# EAGLE board Mk4 Final Panel 8up 2x4 (EAGLE 9.0.1), part 14 of 23 (continued)
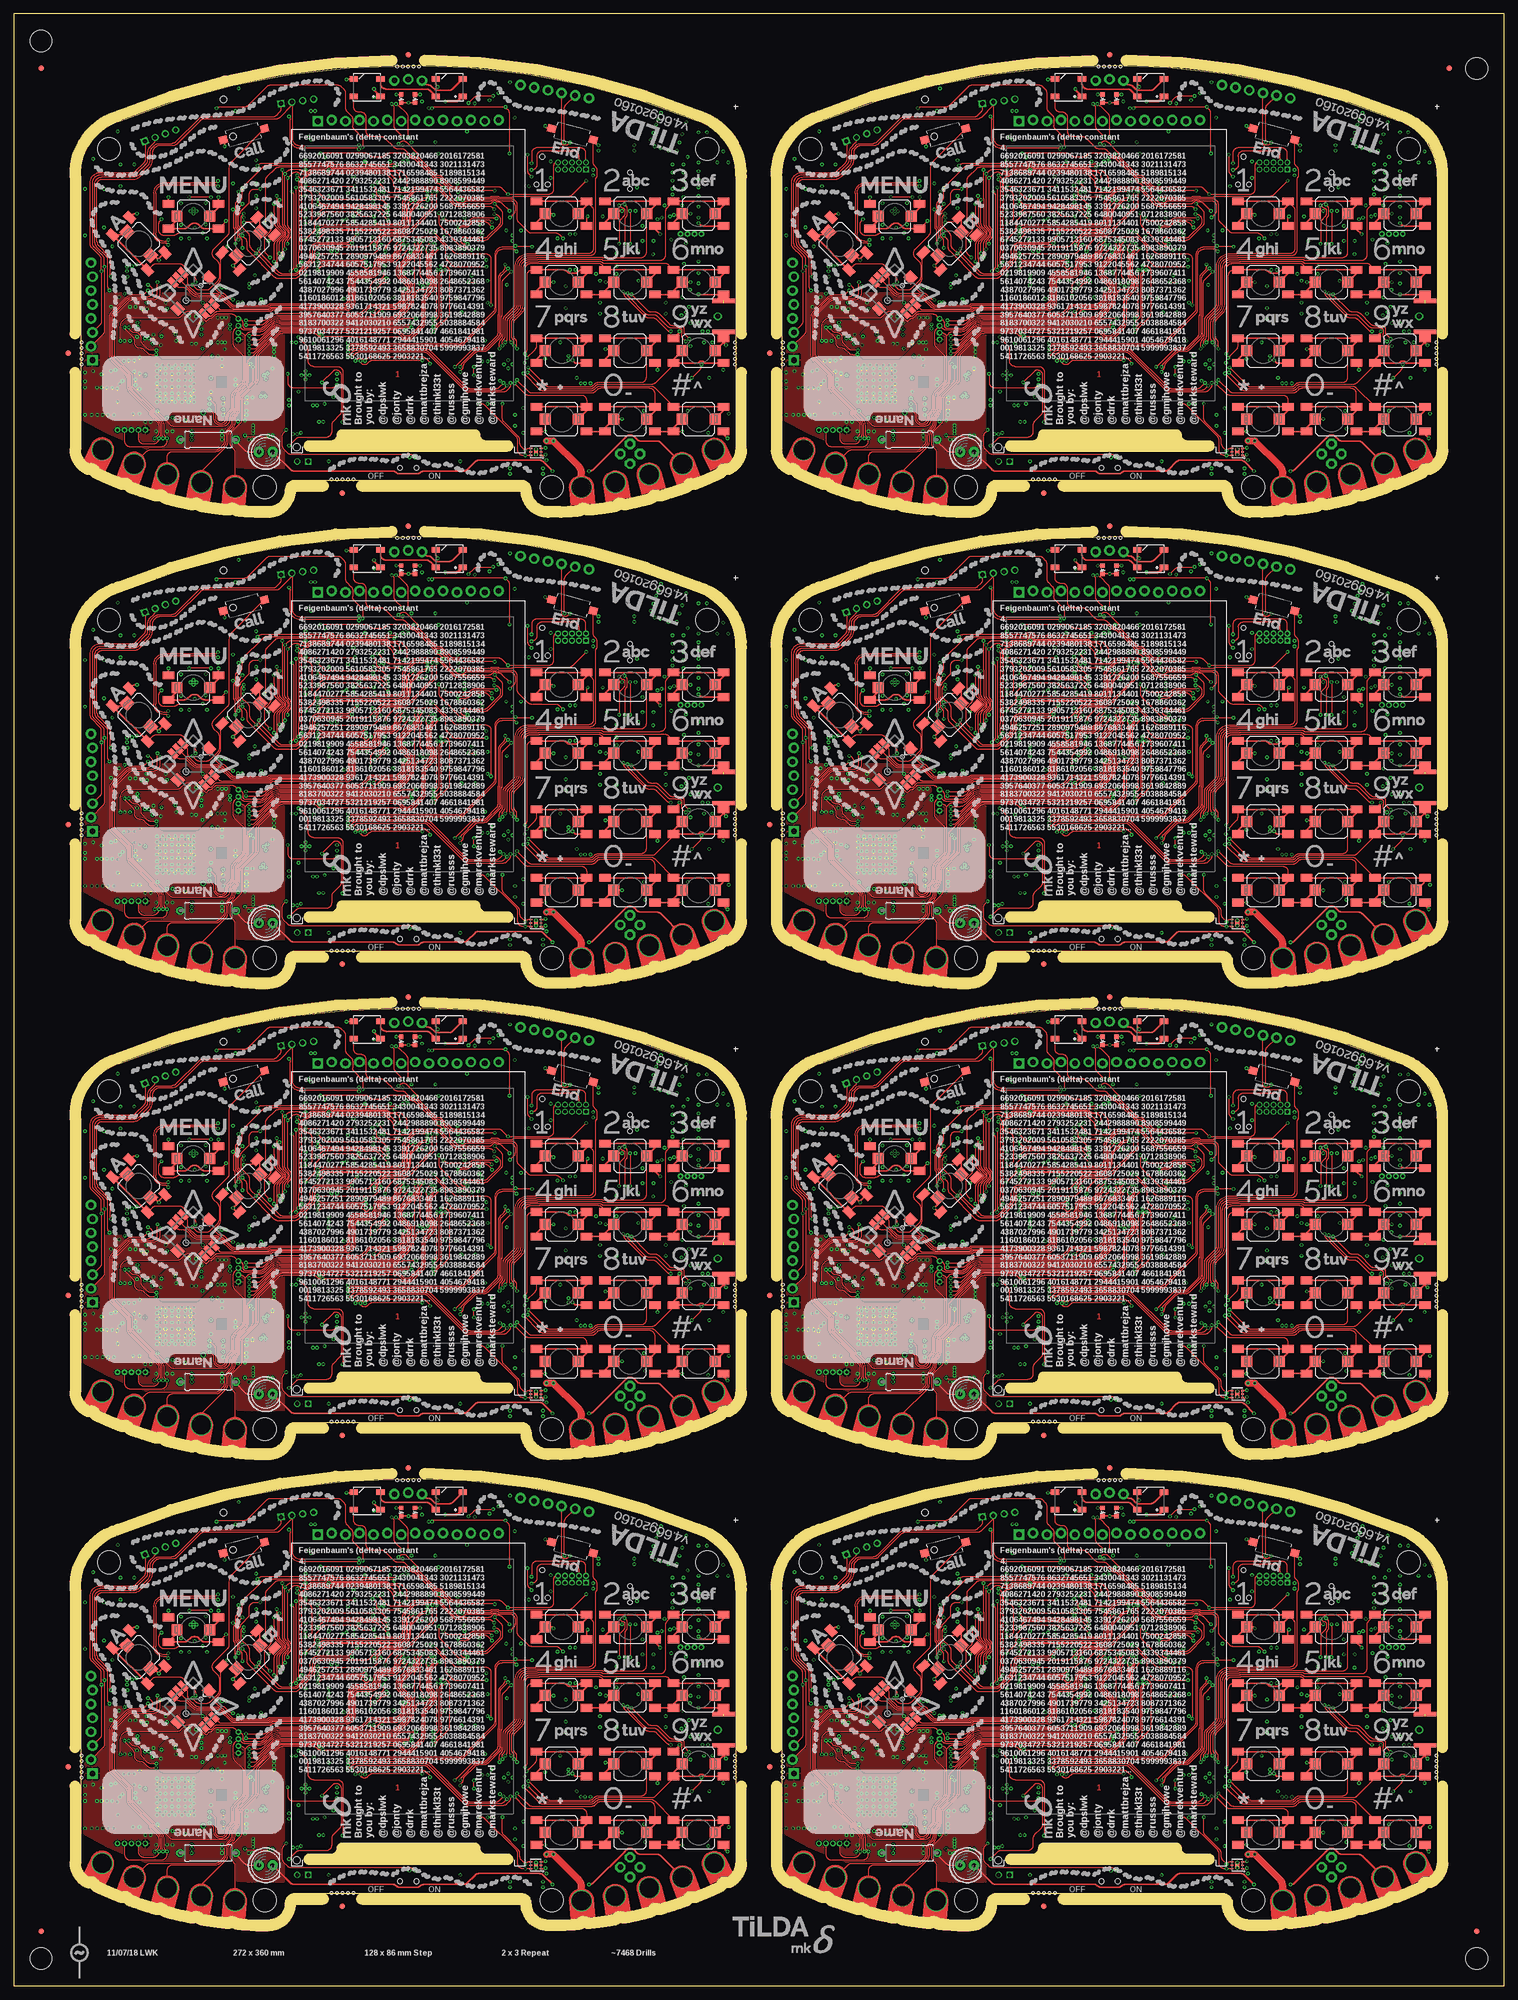
[diagram p0: board, top side]
## Tracks (layer width: path | path; a pad name or v marks a point on that pad's centre or on a via) (continued)
  Bottom 0.15: IC92.73 197,241.21 arc45 197.29,240.51 198.71,239.09 arc-45 199,238.39 199,234.11 arc45 199.29,233.41 199.51,233.19 arc-45 199.8,232.49 arc-45 199.74,232.34 v199.2,231.8
JOY_LEFT6  (via drill 0.3)
  Top 0.15: SW7.C 29.65,310.35 arc45 30.35,310.06 30.86,310.06 arc-45 31.56,309.76 32.53,308.8 arc45 33.59,308.36 36.67,308.36 arc-45 37.02,308.21 37.04,308.2 arc45 37.39,308.05 37.65,308.05 arc-45 38.01,307.9 39.3,306.61 arc45 40.36,306.18 46.44,306.18 arc45 46.83,306.34 46.87,306.38 arc-45 47.05,306.45 60.39,306.45 arc90 61.75,307.81 61.75,311.46 arc-90 62.69,312.4 64.9,312.4 arc90 66.4,313.9 66.4,314.3 arc-90 67.4,315.3 69.04,315.3 arc45 69.39,315.45 70.05,316.11 arc45 70.2,316.46 70.2,316.59 arc-45 70.35,316.95 v71.2,317.8
  Bottom 0.15: IC110.73 69,327.21 arc45 69.29,326.51 70.71,325.09 arc-45 71,324.39 71,320.11 arc45 71.29,319.41 71.51,319.19 arc-45 71.8,318.49 arc-45 71.74,318.34 v71.2,317.8
JOY_LEFT7  (via drill 0.3)
  Top 0.15: SW8.C 157.65,310.35 arc45 158.36,310.06 158.86,310.06 arc-45 159.56,309.76 160.53,308.8 arc45 161.59,308.36 164.67,308.36 arc-45 165.02,308.21 165.04,308.2 arc45 165.39,308.05 165.65,308.05 arc-45 166,307.9 167.3,306.61 arc45 168.36,306.18 174.44,306.18 arc45 174.83,306.34 174.87,306.38 arc-45 175.05,306.45 188.39,306.45 arc90 189.75,307.81 189.75,311.46 arc-90 190.69,312.4 192.9,312.4 arc90 194.4,313.9 194.4,314.3 arc-90 195.4,315.3 197.04,315.3 arc45 197.39,315.45 198.05,316.11 arc45 198.2,316.46 198.2,316.59 arc-45 198.35,316.95 v199.2,317.8
  Bottom 0.15: IC128.73 197,327.21 arc45 197.29,326.51 198.71,325.09 arc-45 199,324.39 199,320.11 arc45 199.29,319.41 199.51,319.19 arc-45 199.8,318.49 arc-45 199.74,318.34 v199.2,317.8
JOY_RIGHT  (via drill 0.3)
  Top 0.15: v71.2,59 71.08,59 arc45 70.73,58.85 70.65,58.77 arc45 70.5,58.42 70.5,58.33 arc-45 70.35,57.98 69.52,57.15 arc-45 69.17,57 67.45,57 arc90 66.7,56.25 66.7,55.85 arc-90 64.95,54.1 62.8,54.1 arc90 62.05,53.35 62.05,49.69 arc-90 60.51,48.15 47.17,48.15 arc45 46.99,48.08 46.86,47.95 arc-45 46.69,47.88 37.94,47.88 arc-45 37.58,48.02 SW1.B | v74,66.6 arc-45 74.24,66.7 v75.3,66.7
  Bottom 0.15: v74,66.6 72.6,66.6 arc90 71.6,65.6 71.6,62.41 arc45 71.89,61.71 72.31,61.29 arc-45 72.6,60.59 72.6,60 arc-90 71.6,59 v71.2,59 | IC1.91 76.2,71.79 76.28,71.72 76.28,71.47 arc-90 75.78,70.97 75.47,70.97 arc90 74.97,70.47 74.97,67.44 arc45 75.27,66.73 v75.3,66.7
JOY_RIGHT1  (via drill 0.3)
  Top 0.15: v199.2,59 199.08,59 arc45 198.73,58.85 198.65,58.77 arc45 198.5,58.42 198.5,58.33 arc-45 198.35,57.98 197.52,57.15 arc-45 197.17,57 195.45,57 arc90 194.7,56.25 194.7,55.85 arc-90 192.95,54.1 190.8,54.1 arc90 190.05,53.35 190.05,49.69 arc-90 188.51,48.15 175.17,48.15 arc45 174.99,48.08 174.86,47.95 arc-45 174.69,47.88 165.94,47.88 arc-45 165.58,48.02 SW2.B | v202,66.6 arc-45 202.24,66.7 v203.3,66.7
  Bottom 0.15: v202,66.6 200.6,66.6 arc90 199.6,65.6 199.6,62.41 arc45 199.89,61.71 200.31,61.29 arc-45 200.6,60.59 200.6,60 arc-90 199.6,59 v199.2,59 | IC20.91 204.2,71.79 204.28,71.72 204.28,71.47 arc-90 203.78,70.97 203.47,70.97 arc90 202.97,70.47 202.97,67.44 arc45 203.27,66.73 v203.3,66.7
JOY_RIGHT2  (via drill 0.3)
  Top 0.15: v71.2,145 71.08,145 arc45 70.73,144.85 70.65,144.77 arc45 70.5,144.42 70.5,144.33 arc-45 70.35,143.98 69.52,143.15 arc-45 69.17,143 67.45,143 arc90 66.7,142.25 66.7,141.85 arc-90 64.95,140.1 62.8,140.1 arc90 62.05,139.35 62.05,135.69 arc-90 60.51,134.15 47.17,134.15 arc45 46.99,134.08 46.86,133.95 arc-45 46.69,133.88 37.94,133.88 arc-45 37.58,134.02 SW3.B | v74,152.6 arc-45 74.24,152.7 v75.3,152.7
  Bottom 0.15: v74,152.6 72.6,152.6 arc90 71.6,151.6 71.6,148.41 arc45 71.89,147.71 72.31,147.29 arc-45 72.6,146.59 72.6,146 arc-90 71.6,145 v71.2,145 | IC38.91 76.2,157.79 76.28,157.72 76.28,157.47 arc-90 75.78,156.97 75.47,156.97 arc90 74.97,156.47 74.97,153.44 arc45 75.27,152.73 v75.3,152.7
JOY_RIGHT3  (via drill 0.3)
  Top 0.15: v199.2,145 199.08,145 arc45 198.73,144.85 198.65,144.77 arc45 198.5,144.42 198.5,144.33 arc-45 198.35,143.98 197.52,143.15 arc-45 197.17,143 195.45,143 arc90 194.7,142.25 194.7,141.85 arc-90 192.95,140.1 190.8,140.1 arc90 190.05,139.35 190.05,135.69 arc-90 188.51,134.15 175.17,134.15 arc45 174.99,134.08 174.86,133.95 arc-45 174.69,133.88 165.94,133.88 arc-45 165.58,134.02 SW4.B | v202,152.6 arc-45 202.24,152.7 v203.3,152.7
  Bottom 0.15: v202,152.6 200.6,152.6 arc90 199.6,151.6 199.6,148.41 arc45 199.89,147.71 200.31,147.29 arc-45 200.6,146.59 200.6,146 arc-90 199.6,145 v199.2,145 | IC56.91 204.2,157.79 204.28,157.72 204.28,157.47 arc-90 203.78,156.97 203.47,156.97 arc90 202.97,156.47 202.97,153.44 arc45 203.27,152.73 v203.3,152.7
JOY_RIGHT4  (via drill 0.3)
  Top 0.15: v71.2,231 71.08,231 arc45 70.73,230.85 70.65,230.77 arc45 70.5,230.42 70.5,230.33 arc-45 70.35,229.98 69.52,229.15 arc-45 69.17,229 67.45,229 arc90 66.7,228.25 66.7,227.85 arc-90 64.95,226.1 62.8,226.1 arc90 62.05,225.35 62.05,221.69 arc-90 60.51,220.15 47.17,220.15 arc45 46.99,220.08 46.86,219.95 arc-45 46.69,219.88 37.94,219.88 arc-45 37.58,220.02 SW5.B | v74,238.6 arc-45 74.24,238.7 v75.3,238.7
  Bottom 0.15: v74,238.6 72.6,238.6 arc90 71.6,237.6 71.6,234.41 arc45 71.89,233.71 72.31,233.29 arc-45 72.6,232.59 72.6,232 arc-90 71.6,231 v71.2,231 | IC74.91 76.2,243.79 76.28,243.72 76.28,243.47 arc-90 75.78,242.97 75.47,242.97 arc90 74.97,242.47 74.97,239.44 arc45 75.27,238.73 v75.3,238.7
JOY_RIGHT5  (via drill 0.3)
  Top 0.15: v199.2,231 199.08,231 arc45 198.73,230.85 198.65,230.77 arc45 198.5,230.42 198.5,230.33 arc-45 198.35,229.98 197.52,229.15 arc-45 197.17,229 195.45,229 arc90 194.7,228.25 194.7,227.85 arc-90 192.95,226.1 190.8,226.1 arc90 190.05,225.35 190.05,221.69 arc-90 188.51,220.15 175.17,220.15 arc45 174.99,220.08 174.86,219.95 arc-45 174.69,219.88 165.94,219.88 arc-45 165.58,220.02 SW6.B | v202,238.6 arc-45 202.24,238.7 v203.3,238.7
  Bottom 0.15: v202,238.6 200.6,238.6 arc90 199.6,237.6 199.6,234.41 arc45 199.89,233.71 200.31,233.29 arc-45 200.6,232.59 200.6,232 arc-90 199.6,231 v199.2,231 | IC92.91 204.2,243.79 204.28,243.72 204.28,243.47 arc-90 203.78,242.97 203.47,242.97 arc90 202.97,242.47 202.97,239.44 arc45 203.27,238.73 v203.3,238.7
JOY_RIGHT6  (via drill 0.3)
  Top 0.15: v71.2,317 71.08,317 arc45 70.73,316.85 70.65,316.77 arc45 70.5,316.42 70.5,316.33 arc-45 70.35,315.98 69.52,315.15 arc-45 69.17,315 67.45,315 arc90 66.7,314.25 66.7,313.85 arc-90 64.95,312.1 62.8,312.1 arc90 62.05,311.35 62.05,307.69 arc-90 60.51,306.15 47.17,306.15 arc45 46.99,306.08 46.86,305.95 arc-45 46.69,305.88 37.94,305.88 arc-45 37.58,306.02 SW7.B | v74,324.6 arc-45 74.24,324.7 v75.3,324.7
  Bottom 0.15: v74,324.6 72.6,324.6 arc90 71.6,323.6 71.6,320.41 arc45 71.89,319.71 72.31,319.29 arc-45 72.6,318.59 72.6,318 arc-90 71.6,317 v71.2,317 | IC110.91 76.2,329.79 76.28,329.72 76.28,329.48 arc-90 75.78,328.98 75.47,328.98 arc90 74.97,328.48 74.97,325.44 arc45 75.27,324.73 v75.3,324.7
JOY_RIGHT7  (via drill 0.3)
  Top 0.15: v199.2,317 199.08,317 arc45 198.73,316.85 198.65,316.77 arc45 198.5,316.42 198.5,316.33 arc-45 198.35,315.98 197.52,315.15 arc-45 197.17,315 195.45,315 arc90 194.7,314.25 194.7,313.85 arc-90 192.95,312.1 190.8,312.1 arc90 190.05,311.35 190.05,307.69 arc-90 188.51,306.15 175.17,306.15 arc45 174.99,306.08 174.86,305.95 arc-45 174.69,305.88 165.94,305.88 arc-45 165.58,306.02 SW8.B | v202,324.6 arc-45 202.24,324.7 v203.3,324.7
  Bottom 0.15: v202,324.6 200.6,324.6 arc90 199.6,323.6 199.6,320.41 arc45 199.89,319.71 200.31,319.29 arc-45 200.6,318.59 200.6,318 arc-90 199.6,317 v199.2,317 | IC128.91 204.2,329.79 204.28,329.72 204.28,329.48 arc-90 203.78,328.98 203.47,328.98 arc90 202.97,328.48 202.97,325.44 arc45 203.27,324.73 v203.3,324.7
JOY_UP  (via drill 0.3)
  Top 0.15: SW1.A 31.4,54.2 arc-45 31.69,53.49 31.69,53 arc45 31.99,52.29 33.02,51.25 arc45 33.73,50.96 36.92,50.96 arc-45 37.27,50.81 37.29,50.8 arc45 37.64,50.65 37.9,50.65 arc-45 38.25,50.5 39.69,49.07 arc45 40.4,48.77 46.31,48.77 arc45 46.49,48.85 46.62,48.98 arc-45 46.8,49.05 60.15,49.05 arc90 61.15,50.05 61.15,53.72 arc-90 62.43,55 64.8,55 arc90 65.8,56 65.8,56.4 arc-90 67.3,57.9 68.79,57.9 arc45 69.15,58.05 69.45,58.35 arc45 69.6,58.71 69.6,59.59 arc-45 69.75,59.95 v70.4,60.6
  Bottom 0.15: IC1.71 68.2,68.81 arc45 68.49,68.11 70.11,66.49 arc-45 70.4,65.79 v70.4,60.6
JOY_UP1  (via drill 0.3)
  Top 0.15: SW2.A 159.4,54.2 arc-45 159.69,53.49 159.69,53 arc45 159.99,52.29 161.02,51.25 arc45 161.73,50.96 164.92,50.96 arc-45 165.27,50.81 165.29,50.8 arc45 165.64,50.65 165.9,50.65 arc-45 166.25,50.5 167.69,49.07 arc45 168.4,48.77 174.31,48.77 arc45 174.49,48.85 174.62,48.98 arc-45 174.8,49.05 188.15,49.05 arc90 189.15,50.05 189.15,53.72 arc-90 190.43,55 192.8,55 arc90 193.8,56 193.8,56.4 arc-90 195.3,57.9 196.79,57.9 arc45 197.15,58.05 197.45,58.35 arc45 197.6,58.71 197.6,59.59 arc-45 197.75,59.95 v198.4,60.6
  Bottom 0.15: IC20.71 196.2,68.81 arc45 196.49,68.11 198.11,66.49 arc-45 198.4,65.79 v198.4,60.6
JOY_UP2  (via drill 0.3)
  Top 0.15: SW3.A 31.4,140.2 arc-45 31.69,139.5 31.69,139 arc45 31.99,138.29 33.02,137.25 arc45 33.73,136.96 36.92,136.96 arc-45 37.27,136.81 37.29,136.8 arc45 37.64,136.65 37.9,136.65 arc-45 38.25,136.5 39.69,135.07 arc45 40.4,134.78 46.31,134.78 arc45 46.49,134.85 46.62,134.98 arc-45 46.8,135.05 60.15,135.05 arc90 61.15,136.05 61.15,139.72 arc-90 62.43,141 64.8,141 arc90 65.8,142 65.8,142.4 arc-90 67.3,143.9 68.79,143.9 arc45 69.15,144.05 69.45,144.35 arc45 69.6,144.71 69.6,145.59 arc-45 69.75,145.95 v70.4,146.6
  Bottom 0.15: IC38.71 68.2,154.81 arc45 68.49,154.11 70.11,152.49 arc-45 70.4,151.79 v70.4,146.6
JOY_UP3  (via drill 0.3)
  Top 0.15: SW4.A 159.4,140.2 arc-45 159.69,139.5 159.69,139 arc45 159.99,138.29 161.02,137.25 arc45 161.73,136.96 164.92,136.96 arc-45 165.27,136.81 165.29,136.8 arc45 165.64,136.65 165.9,136.65 arc-45 166.25,136.5 167.69,135.07 arc45 168.4,134.78 174.31,134.78 arc45 174.49,134.85 174.62,134.98 arc-45 174.8,135.05 188.15,135.05 arc90 189.15,136.05 189.15,139.72 arc-90 190.43,141 192.8,141 arc90 193.8,142 193.8,142.4 arc-90 195.3,143.9 196.79,143.9 arc45 197.15,144.05 197.45,144.35 arc45 197.6,144.71 197.6,145.59 arc-45 197.75,145.95 v198.4,146.6
  Bottom 0.15: IC56.71 196.2,154.81 arc45 196.49,154.11 198.11,152.49 arc-45 198.4,151.79 v198.4,146.6
JOY_UP4  (via drill 0.3)
  Top 0.15: SW5.A 31.4,226.2 arc-45 31.69,225.5 31.69,225 arc45 31.99,224.29 33.02,223.25 arc45 33.73,222.96 36.92,222.96 arc-45 37.27,222.81 37.29,222.8 arc45 37.64,222.65 37.9,222.65 arc-45 38.25,222.5 39.69,221.07 arc45 40.4,220.78 46.31,220.78 arc45 46.49,220.85 46.62,220.98 arc-45 46.8,221.05 60.15,221.05 arc90 61.15,222.05 61.15,225.72 arc-90 62.43,227 64.8,227 arc90 65.8,228 65.8,228.4 arc-90 67.3,229.9 68.79,229.9 arc45 69.15,230.05 69.45,230.35 arc45 69.6,230.71 69.6,231.59 arc-45 69.75,231.95 v70.4,232.6
  Bottom 0.15: IC74.71 68.2,240.81 arc45 68.49,240.11 70.11,238.49 arc-45 70.4,237.79 v70.4,232.6
JOY_UP5  (via drill 0.3)
  Top 0.15: SW6.A 159.4,226.2 arc-45 159.69,225.5 159.69,225 arc45 159.99,224.29 161.02,223.25 arc45 161.73,222.96 164.92,222.96 arc-45 165.27,222.81 165.29,222.8 arc45 165.64,222.65 165.9,222.65 arc-45 166.25,222.5 167.69,221.07 arc45 168.4,220.78 174.31,220.78 arc45 174.49,220.85 174.62,220.98 arc-45 174.8,221.05 188.15,221.05 arc90 189.15,222.05 189.15,225.72 arc-90 190.43,227 192.8,227 arc90 193.8,228 193.8,228.4 arc-90 195.3,229.9 196.79,229.9 arc45 197.15,230.05 197.45,230.35 arc45 197.6,230.71 197.6,231.59 arc-45 197.75,231.95 v198.4,232.6
  Bottom 0.15: IC92.71 196.2,240.81 arc45 196.49,240.11 198.11,238.49 arc-45 198.4,237.79 v198.4,232.6
JOY_UP6  (via drill 0.3)
  Top 0.15: SW7.A 31.4,312.2 arc-45 31.69,311.5 31.69,311 arc45 31.99,310.29 33.02,309.25 arc45 33.73,308.96 36.92,308.96 arc-45 37.27,308.81 37.29,308.8 arc45 37.64,308.65 37.9,308.65 arc-45 38.25,308.5 39.69,307.07 arc45 40.4,306.77 46.31,306.77 arc45 46.49,306.85 46.62,306.98 arc-45 46.8,307.05 60.15,307.05 arc90 61.15,308.05 61.15,311.72 arc-90 62.43,313 64.8,313 arc90 65.8,314 65.8,314.4 arc-90 67.3,315.9 68.79,315.9 arc45 69.15,316.05 69.45,316.35 arc45 69.6,316.71 69.6,317.59 arc-45 69.75,317.95 v70.4,318.6
  Bottom 0.15: IC110.71 68.2,326.81 arc45 68.49,326.11 70.11,324.49 arc-45 70.4,323.79 v70.4,318.6
JOY_UP7  (via drill 0.3)
  Top 0.15: SW8.A 159.4,312.2 arc-45 159.69,311.5 159.69,311 arc45 159.99,310.29 161.02,309.25 arc45 161.73,308.96 164.92,308.96 arc-45 165.27,308.81 165.29,308.8 arc45 165.64,308.65 165.9,308.65 arc-45 166.25,308.5 167.69,307.07 arc45 168.4,306.77 174.31,306.77 arc45 174.49,306.85 174.62,306.98 arc-45 174.8,307.05 188.15,307.05 arc90 189.15,308.05 189.15,311.72 arc-90 190.43,313 192.8,313 arc90 193.8,314 193.8,314.4 arc-90 195.3,315.9 196.79,315.9 arc45 197.15,316.05 197.45,316.35 arc45 197.6,316.71 197.6,317.59 arc-45 197.75,317.95 v198.4,318.6
  Bottom 0.15: IC128.71 196.2,326.81 arc45 196.49,326.11 198.11,324.49 arc-45 198.4,323.79 v198.4,318.6
LCD_!RST  (via drill 0.3)
  Top 0.15: v77.6,65.6 77.6,63.91 arc45 77.89,63.21 81.43,59.67 arc45 81.78,59.52 82.26,59.52 arc-45 82.61,59.38 82.95,59.05 arc45 83.3,58.9 v83.6,58.9
  Bottom 0.15: IC1.111 v77.6,65.6 | v83.6,58.9 84.01,58.49 arc-45 84.3,57.79 84.3,54.21 arc-45 84.01,53.5 83.87,53.36 arc45 83.72,53.01 83.72,52.9 arc-90 83.22,52.4 80.75,52.4 arc90 79.75,51.4 J2.10
LCD_!RST1  (via drill 0.3)
  Top 0.15: v205.6,65.6 205.6,63.91 arc45 205.89,63.21 209.43,59.67 arc45 209.78,59.52 210.26,59.52 arc-45 210.61,59.38 210.95,59.05 arc45 211.3,58.9 v211.6,58.9
  Bottom 0.15: IC20.111 v205.6,65.6 | v211.6,58.9 212.01,58.49 arc-45 212.3,57.79 212.3,54.21 arc-45 212.01,53.5 211.87,53.36 arc45 211.72,53.01 211.72,52.9 arc-90 211.22,52.4 208.75,52.4 arc90 207.75,51.4 J6.10
LCD_!RST2  (via drill 0.3)
  Top 0.15: v77.6,151.6 77.6,149.91 arc45 77.89,149.21 81.43,145.67 arc45 81.78,145.53 82.26,145.53 arc-45 82.61,145.38 82.95,145.05 arc45 83.3,144.9 v83.6,144.9
  Bottom 0.15: IC38.111 v77.6,151.6 | v83.6,144.9 84.01,144.49 arc-45 84.3,143.79 84.3,140.21 arc-45 84.01,139.5 83.87,139.36 arc45 83.72,139.01 83.72,138.9 arc-90 83.22,138.4 80.75,138.4 arc90 79.75,137.4 J21.10
LCD_!RST3  (via drill 0.3)
  Top 0.15: v205.6,151.6 205.6,149.91 arc45 205.89,149.21 209.43,145.67 arc45 209.78,145.53 210.26,145.53 arc-45 210.61,145.38 210.95,145.05 arc45 211.3,144.9 v211.6,144.9
  Bottom 0.15: IC56.111 v205.6,151.6 | v211.6,144.9 212.01,144.49 arc-45 212.3,143.79 212.3,140.21 arc-45 212.01,139.5 211.87,139.36 arc45 211.72,139.01 211.72,138.9 arc-90 211.22,138.4 208.75,138.4 arc90 207.75,137.4 J31.10
LCD_!RST4  (via drill 0.3)
  Top 0.15: v77.6,237.6 77.6,235.91 arc45 77.89,235.21 81.43,231.67 arc45 81.78,231.53 82.26,231.53 arc-45 82.61,231.38 82.95,231.05 arc45 83.3,230.9 v83.6,230.9
  Bottom 0.15: IC74.111 v77.6,237.6 | v83.6,230.9 84.01,230.49 arc-45 84.3,229.79 84.3,226.21 arc-45 84.01,225.5 83.87,225.36 arc45 83.72,225.01 83.72,224.9 arc-90 83.22,224.4 80.75,224.4 arc90 79.75,223.4 J41.10
LCD_!RST5  (via drill 0.3)
  Top 0.15: v205.6,237.6 205.6,235.91 arc45 205.89,235.21 209.43,231.67 arc45 209.78,231.53 210.26,231.53 arc-45 210.61,231.38 210.95,231.05 arc45 211.3,230.9 v211.6,230.9
  Bottom 0.15: IC92.111 v205.6,237.6 | v211.6,230.9 212.01,230.49 arc-45 212.3,229.79 212.3,226.21 arc-45 212.01,225.5 211.87,225.36 arc45 211.72,225.01 211.72,224.9 arc-90 211.22,224.4 208.75,224.4 arc90 207.75,223.4 J51.10
LCD_!RST6  (via drill 0.3)
  Top 0.15: v77.6,323.6 77.6,321.91 arc45 77.89,321.21 81.43,317.67 arc45 81.78,317.52 82.26,317.52 arc-45 82.61,317.38 82.95,317.05 arc45 83.3,316.9 v83.6,316.9
  Bottom 0.15: IC110.111 v77.6,323.6 | v83.6,316.9 84.01,316.49 arc-45 84.3,315.79 84.3,312.21 arc-45 84.01,311.5 83.87,311.36 arc45 83.72,311.01 83.72,310.9 arc-90 83.22,310.4 80.75,310.4 arc90 79.75,309.4 J61.10
LCD_!RST7  (via drill 0.3)
  Top 0.15: v205.6,323.6 205.6,321.91 arc45 205.89,321.21 209.43,317.67 arc45 209.78,317.52 210.26,317.52 arc-45 210.61,317.38 210.95,317.05 arc45 211.3,316.9 v211.6,316.9
  Bottom 0.15: IC128.111 v205.6,323.6 | v211.6,316.9 212.01,316.49 arc-45 212.3,315.79 212.3,312.21 arc-45 212.01,311.5 211.87,311.36 arc45 211.72,311.01 211.72,310.9 arc-90 211.22,310.4 208.75,310.4 arc90 207.75,309.4 J71.10
LCD_DCX
  Bottom 0.15: J2.36 66.75,49.89 arc-45 67.04,50.59 67.21,50.76 arc45 67.5,51.46 67.5,53.69 arc-45 67.65,54.05 68.65,55.05 arc-45 69.01,55.2 69.14,55.2 arc45 69.5,55.35 70.45,56.3 arc45 70.6,56.66 IC1.20
LCD_DCX1
  Bottom 0.15: J6.36 194.75,49.89 arc-45 195.04,50.59 195.21,50.76 arc45 195.5,51.46 195.5,53.69 arc-45 195.65,54.05 196.65,55.05 arc-45 197.01,55.2 197.14,55.2 arc45 197.5,55.35 198.45,56.3 arc45 198.6,56.66 IC20.20
LCD_DCX2
  Bottom 0.15: J21.36 66.75,135.89 arc-45 67.04,136.59 67.21,136.76 arc45 67.5,137.46 67.5,139.69 arc-45 67.65,140.05 68.65,141.05 arc-45 69.01,141.2 69.14,141.2 arc45 69.5,141.35 70.45,142.3 arc45 70.6,142.66 IC38.20
LCD_DCX3
  Bottom 0.15: J31.36 194.75,135.89 arc-45 195.04,136.59 195.21,136.76 arc45 195.5,137.46 195.5,139.69 arc-45 195.65,140.05 196.65,141.05 arc-45 197.01,141.2 197.14,141.2 arc45 197.5,141.35 198.45,142.3 arc45 198.6,142.66 IC56.20
LCD_DCX4
  Bottom 0.15: J41.36 66.75,221.89 arc-45 67.04,222.59 67.21,222.76 arc45 67.5,223.46 67.5,225.69 arc-45 67.65,226.05 68.65,227.05 arc-45 69.01,227.2 69.14,227.2 arc45 69.5,227.35 70.45,228.3 arc45 70.6,228.66 IC74.20
LCD_DCX5
  Bottom 0.15: J51.36 194.75,221.89 arc-45 195.04,222.59 195.21,222.76 arc45 195.5,223.46 195.5,225.69 arc-45 195.65,226.05 196.65,227.05 arc-45 197.01,227.2 197.14,227.2 arc45 197.5,227.35 198.45,228.3 arc45 198.6,228.66 IC92.20
LCD_DCX6
  Bottom 0.15: J61.36 66.75,307.89 arc-45 67.04,308.59 67.21,308.76 arc45 67.5,309.46 67.5,311.69 arc-45 67.65,312.05 68.65,313.05 arc-45 69.01,313.2 69.14,313.2 arc45 69.5,313.35 70.45,314.3 arc45 70.6,314.66 IC110.20
LCD_DCX7
  Bottom 0.15: J71.36 194.75,307.89 arc-45 195.04,308.59 195.21,308.76 arc45 195.5,309.46 195.5,311.69 arc-45 195.65,312.05 196.65,313.05 arc-45 197.01,313.2 197.14,313.2 arc45 197.5,313.35 198.45,314.3 arc45 198.6,314.66 IC128.20
LCD_TEAR  (via drill 0.3)
  Top 0.15: v65.15,50.5 65.15,52.19 arc-45 65.44,52.89 65.76,53.21 arc-45 66.46,53.5 66.59,53.5 arc45 67.29,53.79 67.31,53.81 arc45 67.6,54.51 v67.6,55
  Bottom 0.15: J2.39 65.25,50.26 arc45 v65.15,50.5 | IC1.21 70.2,56.68 arc-45 70.05,56.33 69.37,55.65 arc-45 69.02,55.5 68.88,55.5 arc45 68.53,55.35 68.32,55.15 arc-45 67.97,55 v67.6,55
LCD_TEAR1  (via drill 0.3)
  Top 0.15: v193.15,50.5 193.15,52.19 arc-45 193.44,52.89 193.76,53.21 arc-45 194.46,53.5 194.59,53.5 arc45 195.29,53.79 195.31,53.81 arc45 195.6,54.51 v195.6,55
  Bottom 0.15: J6.39 193.25,50.26 arc45 v193.15,50.5 | IC20.21 198.2,56.68 arc-45 198.05,56.33 197.37,55.65 arc-45 197.02,55.5 196.88,55.5 arc45 196.53,55.35 196.32,55.15 arc-45 195.97,55 v195.6,55
LCD_TEAR2  (via drill 0.3)
  Top 0.15: v65.15,136.5 65.15,138.19 arc-45 65.44,138.89 65.76,139.21 arc-45 66.46,139.5 66.59,139.5 arc45 67.29,139.79 67.31,139.81 arc45 67.6,140.51 v67.6,141
  Bottom 0.15: J21.39 65.25,136.26 arc45 v65.15,136.5 | IC38.21 70.2,142.68 arc-45 70.05,142.33 69.37,141.65 arc-45 69.02,141.5 68.88,141.5 arc45 68.53,141.35 68.32,141.15 arc-45 67.97,141 v67.6,141
LCD_TEAR3  (via drill 0.3)
  Top 0.15: v193.15,136.5 193.15,138.19 arc-45 193.44,138.89 193.76,139.21 arc-45 194.46,139.5 194.59,139.5 arc45 195.29,139.79 195.31,139.81 arc45 195.6,140.51 v195.6,141
  Bottom 0.15: J31.39 193.25,136.26 arc45 v193.15,136.5 | IC56.21 198.2,142.68 arc-45 198.05,142.33 197.37,141.65 arc-45 197.02,141.5 196.88,141.5 arc45 196.53,141.35 196.32,141.15 arc-45 195.97,141 v195.6,141
LCD_TEAR4  (via drill 0.3)
  Top 0.15: v65.15,222.5 65.15,224.19 arc-45 65.44,224.89 65.76,225.21 arc-45 66.46,225.5 66.59,225.5 arc45 67.29,225.79 67.31,225.81 arc45 67.6,226.51 v67.6,227
  Bottom 0.15: J41.39 65.25,222.26 arc45 v65.15,222.5 | IC74.21 70.2,228.68 arc-45 70.05,228.33 69.37,227.65 arc-45 69.02,227.5 68.88,227.5 arc45 68.53,227.35 68.32,227.15 arc-45 67.97,227 v67.6,227
LCD_TEAR5  (via drill 0.3)
  Top 0.15: v193.15,222.5 193.15,224.19 arc-45 193.44,224.89 193.76,225.21 arc-45 194.46,225.5 194.59,225.5 arc45 195.29,225.79 195.31,225.81 arc45 195.6,226.51 v195.6,227
  Bottom 0.15: J51.39 193.25,222.26 arc45 v193.15,222.5 | IC92.21 198.2,228.68 arc-45 198.05,228.33 197.37,227.65 arc-45 197.02,227.5 196.88,227.5 arc45 196.53,227.35 196.32,227.15 arc-45 195.97,227 v195.6,227
LCD_TEAR6  (via drill 0.3)
  Top 0.15: v65.15,308.5 65.15,310.19 arc-45 65.44,310.89 65.76,311.21 arc-45 66.46,311.5 66.59,311.5 arc45 67.29,311.79 67.31,311.81 arc45 67.6,312.51 v67.6,313
  Bottom 0.15: J61.39 65.25,308.26 arc45 v65.15,308.5 | IC110.21 70.2,314.68 arc-45 70.05,314.33 69.37,313.65 arc-45 69.02,313.5 68.88,313.5 arc45 68.53,313.35 68.32,313.15 arc-45 67.97,313 v67.6,313
LCD_TEAR7  (via drill 0.3)
  Top 0.15: v193.15,308.5 193.15,310.19 arc-45 193.44,310.89 193.76,311.21 arc-45 194.46,311.5 194.59,311.5 arc45 195.29,311.79 195.31,311.81 arc45 195.6,312.51 v195.6,313
  Bottom 0.15: J71.39 193.25,308.26 arc45 v193.15,308.5 | IC128.21 198.2,314.68 arc-45 198.05,314.33 197.37,313.65 arc-45 197.02,313.5 196.88,313.5 arc45 196.53,313.35 196.32,313.15 arc-45 195.97,313 v195.6,313
LED1  (via drill 0.3)
  Top 0.15: v72,79.5 72,83.09 arc45 71.71,83.79 70.38,85.12 70.24,85.12 69.86,85.5 v69.75,85.5
  Bottom 0.15: IC1.86 74.2,73.22 arc90 73.5,73.92 arc-90 73,74.42 73,75.29 arc45 72.71,75.99 72.29,76.41 arc-45 72,77.11 v72,79.5 | R12.2 72.79,85.52 arc-45 72.08,85.22 70.03,85.22 v69.75,85.5
LED1_R  (via drill 0.3)
  Top 0.25: LED3.A v74.17,87.25
  Bottom 0.3: R12.1 73.52,87.25 v74.17,87.25
LED1_R1  (via drill 0.3)
  Top 0.25: LED9.A v202.17,87.25
  Bottom 0.3: R83.1 201.52,87.25 v202.17,87.25
LED1_R2  (via drill 0.3)
  Top 0.25: LED15.A v74.17,173.25
  Bottom 0.3: R161.1 73.52,173.25 v74.17,173.25
LED1_R3  (via drill 0.3)
  Top 0.25: LED21.A v202.17,173.25
  Bottom 0.3: R239.1 201.52,173.25 v202.17,173.25
LED1_R4  (via drill 0.3)
  Top 0.25: LED27.A v74.17,259.25
  Bottom 0.3: R317.1 73.52,259.25 v74.17,259.25
LED1_R5  (via drill 0.3)
  Top 0.25: LED33.A v202.17,259.25
  Bottom 0.3: R395.1 201.52,259.25 v202.17,259.25
LED1_R6  (via drill 0.3)
  Top 0.25: LED39.A v74.17,345.25
  Bottom 0.3: R473.1 73.52,345.25 v74.17,345.25
LED1_R7  (via drill 0.3)
  Top 0.25: LED45.A v202.17,345.25
  Bottom 0.3: R551.1 201.52,345.25 v202.17,345.25
LED2  (via drill 0.3)
  Top 0.15: v71,79.55 69.75,80.8 arc-45 69.46,81.5 69.46,85.04 v69,85.5
  Bottom 0.15: IC1.85 73.8,73.33 arc90 73.5,73.62 73.2,73.62 arc-90 72.7,74.12 72.7,75.14 arc45 72.41,75.84 71.99,76.26 arc-45 71.7,76.96 71.7,78.14 arc45 71.41,78.84 71.21,79.04 arc-45 v71,79.55 | R14.2 69.99,86 69.97,86.03 69.73,86.03 arc45 69.38,85.88 v69,85.5
LED2_R  (via drill 0.3)
  Top 0.25: LED4.A v69.83,87.25
  Bottom 0.25: v69.83,87.25 69.9,87.25 70.48,87.25 R14.1
LED2_R1  (via drill 0.3)
  Top 0.25: LED10.A v197.83,87.25
  Bottom 0.25: v197.83,87.25 198.48,87.25 R84.1
LED2_R2  (via drill 0.3)
  Top 0.25: LED16.A v69.83,173.25
  Bottom 0.25: v69.83,173.25 70.48,173.25 R162.1
LED2_R3  (via drill 0.3)
  Top 0.25: LED22.A v197.83,173.25
  Bottom 0.25: v197.83,173.25 198.48,173.25 R240.1
LED2_R4  (via drill 0.3)
  Top 0.25: LED28.A v69.83,259.25
  Bottom 0.25: v69.83,259.25 70.48,259.25 R318.1
LED2_R5  (via drill 0.3)
  Top 0.25: LED34.A v197.83,259.25
  Bottom 0.25: v197.83,259.25 198.48,259.25 R396.1
LED2_R6  (via drill 0.3)
  Top 0.25: LED40.A v69.83,345.25
  Bottom 0.25: v69.83,345.25 70.48,345.25 R474.1
LED2_R7  (via drill 0.3)
  Top 0.25: LED46.A v197.83,345.25
  Bottom 0.25: v197.83,345.25 198.48,345.25 R552.1
LED3  (via drill 0.3)
  Top 0.15: v200,79.5 200,83.09 arc45 199.71,83.79 198.38,85.12 198.24,85.12 197.86,85.5 v197.75,85.5
  Bottom 0.15: IC20.86 202.2,73.22 arc90 201.5,73.92 arc-90 201,74.42 201,75.29 arc45 200.71,75.99 200.29,76.41 arc-45 200,77.11 v200,79.5 | R83.2 200.79,85.52 arc-45 200.08,85.22 198.03,85.22 v197.75,85.5
LED4  (via drill 0.3)
  Top 0.15: v199,79.55 197.75,80.8 arc-45 197.46,81.5 197.46,85.04 v197,85.5
  Bottom 0.15: IC20.85 201.8,73.33 arc90 201.5,73.62 201.2,73.62 arc-90 200.7,74.12 200.7,75.14 arc45 200.41,75.84 199.99,76.26 arc-45 199.7,76.96 199.7,78.14 arc45 199.41,78.84 199.21,79.04 arc-45 v199,79.55 | R84.2 197.99,86 197.97,86.03 197.73,86.03 arc45 197.38,85.88 v197,85.5
LED5  (via drill 0.3)
  Top 0.15: v72,165.5 72,169.09 arc45 71.71,169.79 70.38,171.12 70.24,171.12 69.86,171.5 v69.75,171.5
  Bottom 0.15: IC38.86 74.2,159.22 arc90 73.5,159.93 arc-90 73,160.43 73,161.29 arc45 72.71,161.99 72.29,162.41 arc-45 72,163.11 v72,165.5 | R161.2 72.79,171.52 arc-45 72.08,171.22 70.03,171.22 v69.75,171.5
LED5_R